# Altium PCB DAC_Sources_REV2.PcbDoc (part 8 of 9) (continued)
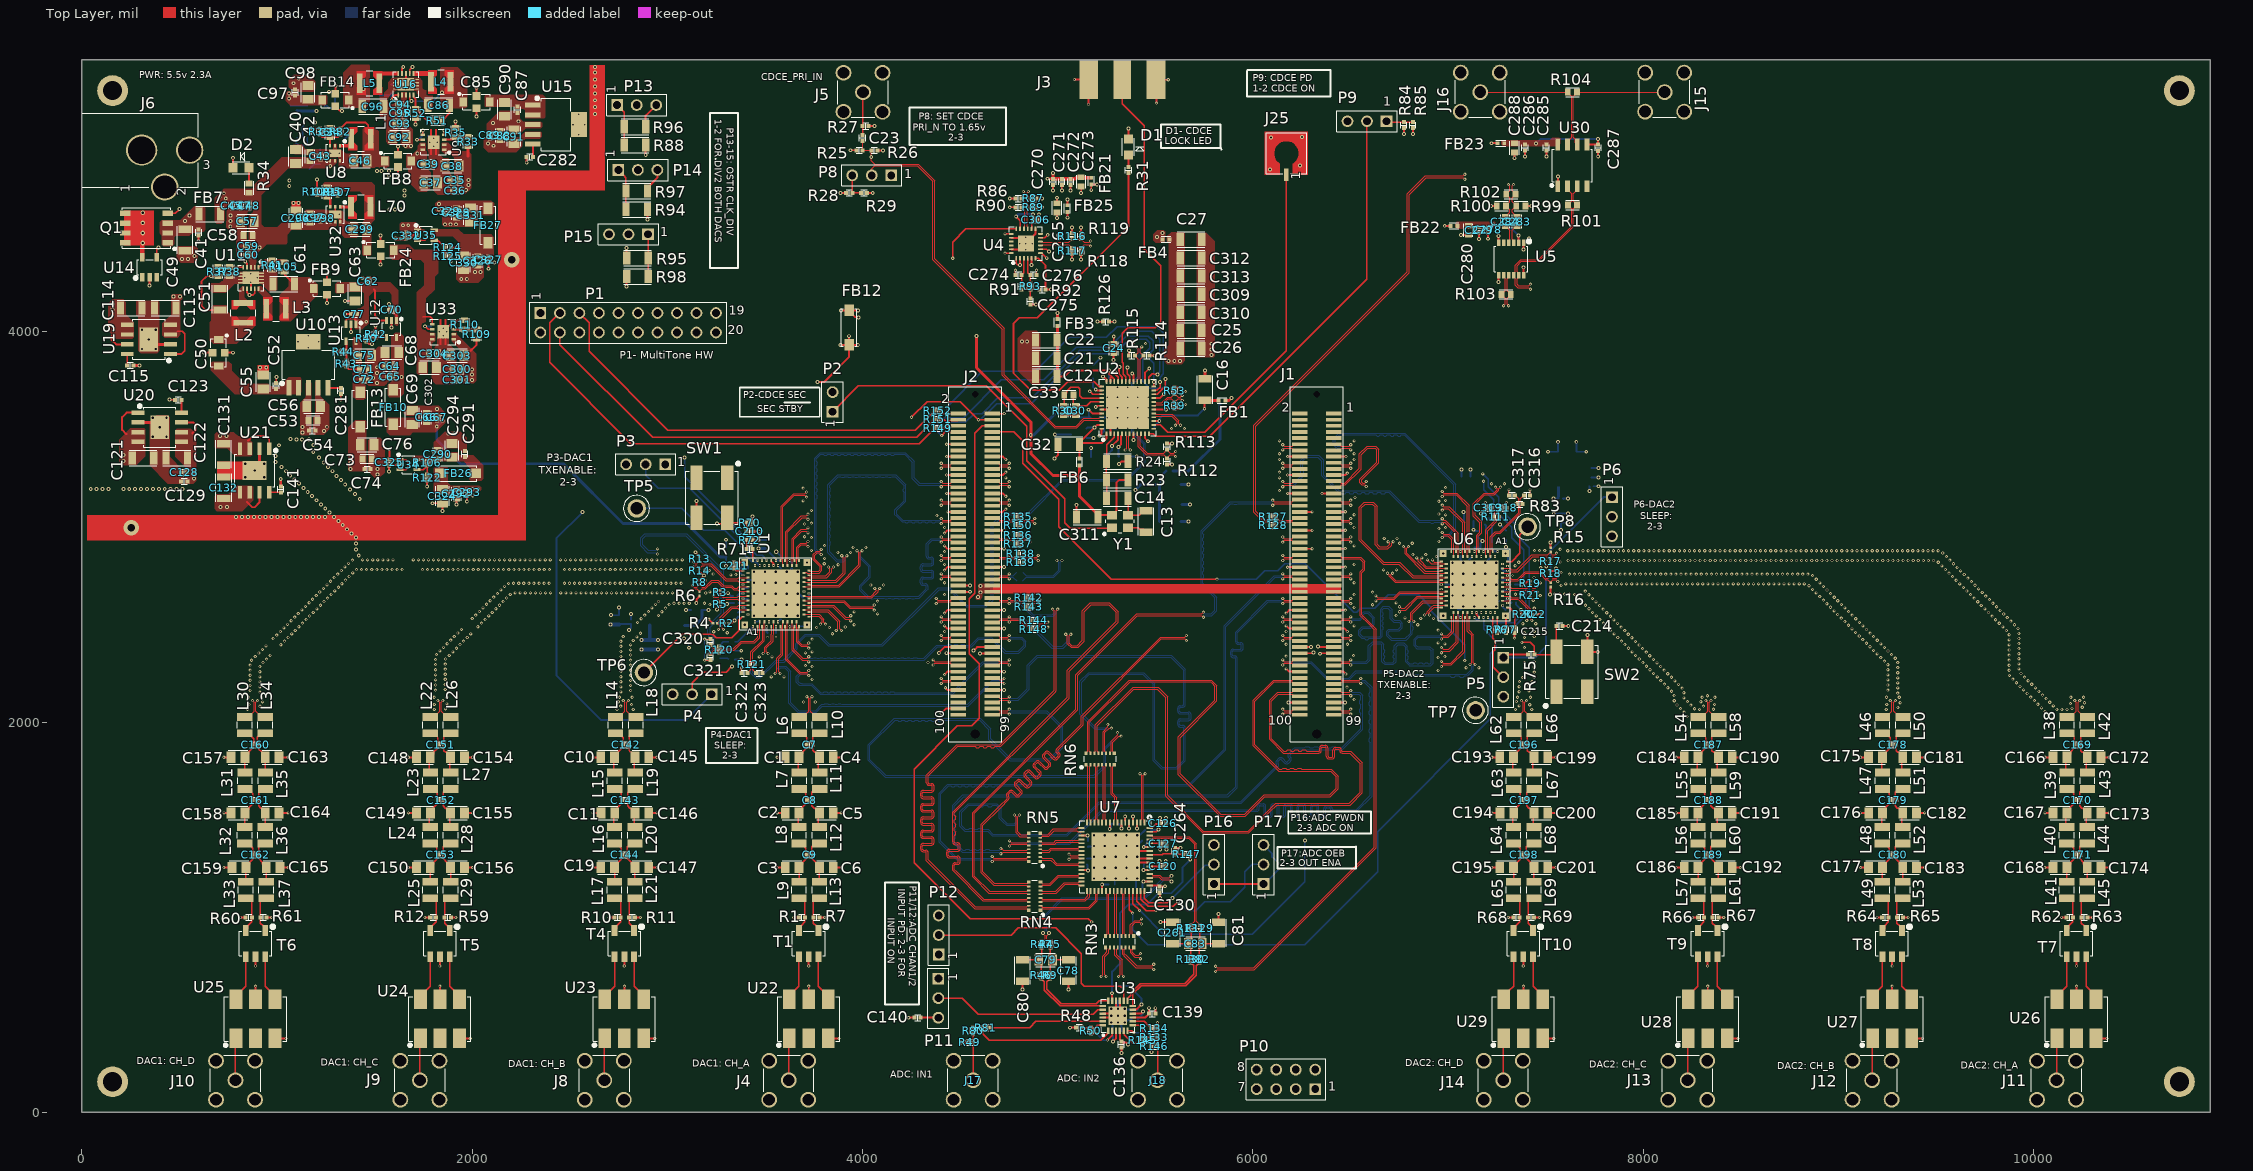
[diagram p0: Top Layer view]
## Nets (pads, with @x,y where several pads share a name; then routed paths per layer and width w, separated by ;. In a path a pad name is that pad's centre, name@x,y a point inside that pad or via, vN(x,y) a via of type N, cw(c..) or ccw(c..) an arc to the next point about the centre after c; other vN are vias at no path point) (continued)
  Bottom Layer w7.5: R132.1@5358.66,418.11 5380.15,418.11 5389.2,409.06 v1(5389.76,409.06) 5461.02,409.06 v1(5511.81,459.84)
NetR133_2: R133.2 R145.1 U3.7 | length 145.5
  Top Layer w7.5: U3.7@5385.83,447.24 5417.32,447.24 5435.83,428.74 R145.1@5435.83,385.43 R133.2@5480.31,385.43
NetR134_2: R134.2 U3.8 | length 109.7
  Top Layer w7.5: U3.8@5385.83,466.93 5443.7,466.93 R134.2@5480.31,430.31
NetR145_2: R145.2 U3.5 | length 135.5
  Top Layer w7.5: U3.5@5338.58,419.69 5340.74,417.53 5340.74,398.63 5385.43,353.94 R145.2@5435.83,353.94
NetT1_3: T1.3 U22.6 | length 238.4
  Top Layer w7.5: U22.6@3624.65,580 3624.65,597.5 3653.4,626.25 3653.81,626.25 3674.65,647.09 T1.3@3674.65,797.48
NetT1_5: T1.5 U22.4 | length 238.7
  Top Layer w7.5: T1.5@3774.65,797.48 3774.65,646.61 3795.01,626.25 3795.9,626.25 3824.65,597.5 U22.4@3824.65,580
NetT4_3: T4.3 U23.6 | length 238.4
  Top Layer w7.5: U23.6@2679.76,580 2679.76,597.5 2708.51,626.25 2708.93,626.25 2729.76,647.09 T4.3@2729.76,797.48
NetT4_5: T4.5 U23.4 | length 238.7
  Top Layer w7.5: T4.5@2829.76,797.48 2829.76,646.61 2850.13,626.25 2851.01,626.25 2879.76,597.5 U23.4@2879.76,580
NetT5_3: T5.3 U24.6 | length 238.4
  Top Layer w7.5: U24.6@1734.88,580 1734.88,597.5 1763.63,626.25 1764.05,626.25 1784.88,647.09 T5.3@1784.88,797.48
NetT5_5: T5.5 U24.4 | length 238.7
  Top Layer w7.5: T5.5@1884.88,797.48 1884.88,646.61 1905.25,626.25 1906.13,626.25 1934.88,597.5 U24.4@1934.88,580
NetT6_3: T6.3 U25.6 | length 238.4
  Top Layer w7.5: U25.6@790,580 790,597.5 818.75,626.25 819.16,626.25 840,647.09 T6.3@840,797.48
NetT6_5: T6.5 U25.4 | length 238.7
  Top Layer w7.5: T6.5@940,797.48 940,646.61 960.36,626.25 961.25,626.25 990,597.5 U25.4@990,580
NetT7_3: T7.3 U26.6 | length 238.4
  Top Layer w7.5: U26.6@10120.71,580 10120.71,597.5 10149.46,626.25 10149.87,626.25 10170.71,647.09 T7.3@10170.71,797.48
NetT7_5: T7.5 U26.4 | length 238.7
  Top Layer w7.5: T7.5@10270.71,797.48 10270.71,646.61 10291.07,626.25 10291.96,626.25 10320.71,597.5 U26.4@10320.71,580
NetT8_3: T8.3 U27.6 | length 238.4
  Top Layer w7.5: U27.6@9175.83,580 9175.83,597.5 9204.58,626.25 9204.99,626.25 9225.83,647.09 T8.3@9225.83,797.48
NetT8_5: T8.5 U27.4 | length 238.7
  Top Layer w7.5: T8.5@9325.83,797.48 9325.83,646.61 9346.19,626.25 9347.08,626.25 9375.83,597.5 U27.4@9375.83,580
NetT9_3: T9.3 U28.6 | length 238.4
  Top Layer w7.5: U28.6@8230.94,580 8230.94,597.5 8259.69,626.25 8260.11,626.25 8280.94,647.09 T9.3@8280.94,797.48
NetT9_5: T9.5 U28.4 | length 221.2
  Top Layer w7.5: T9.5@8380.94,797.48 8380.94,646.61 8401.31,626.25 8402.19,626.25 U28.4@8430.94,597.5
NetT10_3: T10.3 U29.6 | length 238.4
  Top Layer w7.5: U29.6@7286.06,580 7286.06,597.5 7314.81,626.25 7315.23,626.25 7336.06,647.09 T10.3@7336.06,797.48
NetT10_5: T10.5 U29.4 | length 238.7
  Top Layer w7.5: T10.5@7436.06,797.48 7436.06,646.61 7456.43,626.25 7457.31,626.25 7486.06,597.5 U29.4@7486.06,580
NetTP5_1: TP5.1 U1.B29 | length 761.5
  Bottom Layer w7.5: TP5.1@2843.31,3095.28 3074.8,3095.28 3187.4,2982.68 3294.88,2982.68 3399.61,2877.95 3399.61,2856.3 3433.66,2822.24 3449.02,2822.24 3454.63,2816.64 ; 3457.18,2815.56 3470.86,2801.89 v3(3473.62,2801.89)
NetTP6_1: TP6.1 U1.A44 | length 672.5
  Top Layer w7.5: TP6.1@2880.31,2254.33 3077.23,2451.25 3226.25,2451.25 3230.86,2446.64 3235.65,2446.64 3250.04,2432.24 3329.92,2432.24 3366.18,2468.5 3366.18,2522.68 3383.58,2540.08 U1.A44@3387.01,2540.08
NetTP7_1: TP7.1 U6.B29 | length 611.8
  SIG_03 w6: TP7.1@7141.73,2060.63 7053.54,2148.82 7053.54,2323.62 7225.98,2496.06 7225.98,2552.76 v3(7217.72,2561.02)
NetTP8_1: TP8.1 U6.A44 | length 234.1
  Top Layer w7.5: U6.A44@7304.33,2822.83 7325.98,2822.83 7367.32,2864.17 7367.32,2960.24 TP8.1@7408.27,3001.18
OR_OUT_N: RN3.4 U7.42 | length 235.9
  Top Layer w5: U7.42@5326.77,1135.47 5326.77,1124.47 5329.27,1121.97 5329.97,1121.97 5332.9,1119.04 5332.9,1009.38 5332.9,914.99 5327.56,909.65 RN3.4@5327.56,904.72
OR_OUT_P: RN3.3 U7.43 | length 234.8
  Top Layer w5: U7.43@5346.46,1135.47 5346.46,1124.47 5341.9,1119.92 5341.9,1005.65 5341.9,914.99 5347.24,909.65 RN3.3@5347.24,904.72
OSTR_DAC1_BUF_IN_N: C321.1 R120.1 U1.B2 | length 379.6
  Top Layer w5: C321.1@3220.08,2349.21 3238.02,2367.15 3254.11,2367.15 R120.1@3265.35,2355.91 3276.6,2367.15 3342.48,2367.15 3381.34,2406.02 3447.51,2406.02 3473.62,2432.13 U1.B2@3473.62,2514.49
OSTR_DAC1_BUF_IN_P: C320.1 R120.2 U1.A2 | length 340.2
  Top Layer w5: C320.1@3220.08,2394.1 3238.02,2376.15 3254.11,2376.15 R120.2@3265.35,2387.4 3276.6,2376.15 3338.75,2376.15 3377.61,2415.02 3443.78,2415.02 3464.62,2435.86 3464.62,2480.59 3464.23,2480.98 3464.23,2486.48 U1.A2@3461.81,2488.9
OSTR_DAC1_BUF_N: C321.2 R86.1 R90.2 U4.16 | length 6426.9
  Top Layer w5: v1(3192.13,2317.72) C321.2@3220.08,2317.72 ; v1(4824.4,4718.9) 4831.4,4711.9 4831.4,4699.91 R86.1@4814.96,4683.46 4831.4,4667.02 4831.4,4654.63 R90.2@4814.96,4638.19 4831.4,4621.75 4831.4,4538.09 4827.56,4534.25 U4.16@4827.56,4527.17
  SIG_03 w4: v1(2950.39,2861.63) 2941.89,2870.13 2625.41,2870.13 2100.45,3395.09 2100.45,4216.72 2194.75,4311.02 4675.98,4311.02 4777.56,4412.6 4777.56,4529.53 4832.9,4584.87 4832.9,4710.4 v1(4824.4,4718.9)
  Bottom Layer w5: v1(2950.39,2861.63) 2943.39,2868.63 2897.79,2868.63 2862.99,2903.43 2862.99,2945.28 2884.05,2966.33 3098.67,2966.33 3105.7,2959.3 3282.58,2782.42 3289.61,2775.39 3289.61,2612.39 3289.19,2611.97 3289.19,2597.48 3289.61,2597.05 3289.61,2556.5 3219.51,2486.4 3219.51,2452.19 3236.78,2434.91 3240.3,2431.4 3240.3,2380.9 3236.78,2377.39 3225.05,2365.65 3198.86,2365.65 3192.13,2358.92 v1(3192.13,2317.72)
OSTR_DAC1_BUF_P: C320.2 R87.1 R89.2 U4.15 | length 6332.5
  Top Layer w5: v1(3192.13,2425.59) C320.2@3220.08,2425.59 ; U4.15@4847.24,4527.17 4847.24,4534.25 4843.4,4538.09 4843.4,4621.75 R89.2@4859.84,4638.19 4843.4,4654.63 4843.4,4667.02 R87.1@4859.84,4683.46 4843.4,4699.91 4843.4,4711.9 v1(4850.4,4718.9)
  SIG_03 w4: v1(2950.39,2887.63) 2941.89,2879.13 2629.13,2879.13 2109.45,3398.82 2109.45,4212.99 2198.48,4302.02 4679.71,4302.02 4786.56,4408.87 4786.56,4525.8 4841.9,4581.14 4841.9,4710.4 v1(4850.4,4718.9)
  Bottom Layer w5: v1(2950.39,2887.63) 2943.39,2880.63 2902.76,2880.63 2874.99,2908.4 2874.99,2940.31 2889.02,2954.33 3093.7,2954.33 3277.61,2770.42 3277.61,2617.36 3277.19,2616.94 3277.19,2592.51 3277.61,2592.08 3277.61,2561.47 3207.51,2491.37 3207.51,2447.22 3211.02,2443.7 3228.3,2426.42 3228.3,2385.87 3220.08,2377.65 3198.86,2377.65 3192.13,2384.39 v1(3192.13,2425.59)
OSTR_DAC2_BUF_IN_N: C317.1 R83.1 U6.B2 | length 403.2
  Top Layer w5: U6.B2@7217.72,2848.43 7217.72,2950.96 7243.08,2976.32 7264.78,2976.32 7362.04,3073.58 7362.04,3106.07 R83.1@7350.79,3117.32 7362.04,3128.57 7362.04,3144.6 7346.93,3159.7 7346.59,3159.7 C317.1@7344.09,3162.2
OSTR_DAC2_BUF_IN_P: C316.1 R83.2 U6.A2 | length 378.8
  Top Layer w5: U6.A2@7229.53,2874.02 7227.11,2876.44 7227.11,2881.93 7226.72,2882.32 7226.72,2947.23 7246.81,2967.32 7268.5,2967.32 7371.04,3069.85 7371.04,3106.07 R83.2@7382.28,3117.32 7371.04,3128.57 7371.04,3144.6 7386.14,3159.7 7386.48,3159.7 C316.1@7388.98,3162.2
OSTR_DAC2_BUF_N: C317.2 R116.1 R119.2 U4.10 | length 4079.4
  Top Layer w5: U4.10@4912.2,4462.2 4919.29,4462.2 4923.13,4458.36 5057.77,4458.36 R116.1@5074.02,4474.61 R119.2@5119.69,4474.61 5135.93,4458.36 5162.29,4458.36 v1(5169.29,4465.36) ; C317.2@7312.6,3162.2 v1(7312.6,3190.16)
  SIG_03 w4: v1(5169.29,4465.36) 5177.79,4456.86 7169.65,4456.86 7333.2,4293.31 7455.3,4293.31 7532.23,4216.38 7532.23,3893.25 7480.65,3841.68 7480.65,3151.39 7458.06,3128.8 7380.92,3128.8 7362.04,3147.68 7362.04,3183.86 7355.74,3190.16 v1(7312.6,3190.16)
OSTR_DAC2_BUF_P: C316.2 R117.1 R118.2 U4.9 | length 4034.7
  Top Layer w5: U4.9@4912.2,4442.52 4919.29,4442.52 4923.13,4446.36 5057.77,4446.36 R117.1@5074.02,4430.12 R118.2@5119.69,4430.12 5135.93,4446.36 5162.29,4446.36 v1(5169.29,4439.36) ; C316.2@7420.47,3162.2 v1(7420.47,3190.16)
  SIG_03 w4: v1(5169.29,4439.36) 5177.79,4447.86 7165.92,4447.86 7329.47,4284.31 7451.57,4284.31 7523.23,4212.65 7523.23,3896.98 7471.65,3845.41 7471.65,3155.12 7454.33,3137.8 7384.65,3137.8 7371.04,3151.41 7371.04,3183.86 7377.34,3190.16 v1(7420.47,3190.16)
OSTR_DAC_N: C276.1 R113.2 U2.10 | length 1794.9
  Top Layer w5: C276.1@4891.34,4291.34 4891.73,4291.73 v1(4891.73,4315.75) ; U2.10@5427.95,3477.56 5427.95,3470.47 5425.73,3468.25 5425.54,3468.25 5422.61,3465.32 5422.61,3414.4 5458.69,3378.32 5542.49,3378.32 R113.2@5560.24,3396.06 5562.74,3393.56 5562.74,3391.96 5576.38,3378.32 5595.83,3378.32 v1(5604.33,3386.82)
  SIG_03 w4: v1(4891.73,4315.75) 4851.35,4315.75 4842.3,4306.69 4842.3,4277.12 4857.66,4261.76 4986.01,4261.76 5044.43,4203.33 5044.43,4074.02 5201.85,3916.6 5201.85,3855.37 5213.43,3843.78 5216.07,3841.15 5216.07,3757.68 5284.98,3688.77 5284.98,3504.58 5368.7,3420.87 5442.13,3420.87 5444.76,3418.23 5484.67,3378.32 5595.83,3378.32 v1(5604.33,3386.82)
OSTR_DAC_P: C274.1 R112.2 U2.9 | length 1824.2
  Top Layer w5: C274.1@4783.86,4291.73 v1(4783.86,4315.75) ; U2.9@5408.27,3477.56 5408.27,3470.47 5410.49,3468.25 5410.68,3468.25 5413.61,3465.32 5413.61,3410.67 5454.96,3369.32 5542.49,3369.32 R112.2@5560.24,3351.57 5562.74,3354.07 5562.74,3355.68 5576.38,3369.32 5595.83,3369.32 v1(5604.33,3360.82)
  SIG_03 w4: v1(4783.86,4315.75) 4824.24,4315.75 4833.3,4306.69 4833.3,4273.4 4853.94,4252.76 4982.28,4252.76 5035.43,4199.61 5035.43,4070.29 5192.85,3912.87 5192.85,3851.64 5207.07,3837.42 5207.07,3753.95 5209.71,3751.32 5275.98,3685.04 5275.98,3500.85 5364.97,3411.87 5438.4,3411.87 5480.95,3369.32 5577.73,3369.32 5595.83,3369.32 v1(5604.33,3360.82)
OUT_SYNC_N: J16.1 R104.1 U30.7 | length 736.3
  Top Layer w5: J16.1@7165.35,5228.22 R104.1@7614.17,5228.22 7614.17,5225.27 7626.44,5213 7629.39,5213 7633.3,5209.1 7633.3,4997.86 7612.8,4977.36 U30.7@7612.8,4958.86
OUT_SYNC_P: J15.1 R104.2 U30.6 | length 737.2
  Top Layer w5: U30.6@7662.8,4958.86 7653.3,4968.36 7653.3,4986.86 7651.72,4986.86 7642.3,4996.29 7642.3,5209.1 7646.2,5213 7649.15,5213 7661.42,5225.27 R104.2@7661.42,5228.22 J15.1@8110.24,5228.22
PLL_AVDD_DAC1: C218.1 C219.1 FB11.2 U1.B1 | length 535.1
  SIG_06 w10: v2(3084.65,2428.74) 3084.65,2472.83 3111.7,2499.89 3367.15,2499.89 3387.82,2520.55 3443.94,2520.55 v3(3450,2514.49)
  Bottom Layer w7.5: v2(3084.65,2428.74) C219.1@3110.24,2428.74 3128.94,2447.44 FB11.2@3158.66,2447.44
  Bottom Layer w10: v3(3450,2514.49) 3463.7,2514.49 C218.1@3469.29,2520.08
PLL_AVDD_DAC2: C239.1 C240.1 FB18.2 U6.B1 | length 568
  SIG_03 w10: v3(7241.34,2848.43) 7219.68,2870.08 7219.68,2894.47 7268.54,2943.33 7445.29,2943.33 7485.83,2983.86 7485.83,3035.43 7486.22,3035.83 7486.22,3089.76 v2(7541.73,3145.28)
  Bottom Layer w10: v2(7541.73,3145.28) C240.1@7566.93,3145.28
Power_Down: P9.2 U2.12 | length 2267.4
  Top Layer w7.5: U2.12@5467.32,3477.56 5488.98,3477.56 5502.76,3463.78 5780.31,3463.78 6585.04,4268.5 P9.2@6585.04,5079.13
PRI_N: P8.2 U2.46 | length 2166.3
  Top Layer w5: P8.2@4047.64,4801.57 4047.64,4835.34 4062.72,4850.42 4281.86,4850.42 4361.08,4771.2 4361.08,4575.05 4361.08,4369.89 4716.59,4014.38 4716.59,3776.98 4985.25,3508.32 5097.93,3508.32 5137.47,3547.86 5212.96,3547.86 5215.89,3544.93 5215.89,3544.74 5218.11,3542.52 U2.46@5225.2,3542.52
PRI_P: C23.1 R25.1 R26.2 U2.45 | length 2281.6
  Top Layer w5: C23.1@4000.39,4977.56 4000.39,4929.92 4000.79,4929.53 R26.2@4045.28,4929.53 4044.88,4929.13 v2(4044.88,4895.28) 4044.88,4877.26 4062.72,4859.42 4285.59,4859.42 4370.08,4774.93 4370.08,4571.32 4370.08,4373.62 4725.59,4018.11 4725.59,3780.71 4988.98,3517.32 5094.2,3517.32 5133.74,3556.86 5212.96,3556.86 5215.89,3559.79 5215.89,3559.98 5218.11,3562.2 U2.45@5225.2,3562.2
S0_1: P15.2 U4.18 | length 2148.8
  Top Layer w7.5: v1(4462.6,4376.77) 4462.6,4459.84 4529.92,4527.17 U4.18@4788.19,4527.17
  SIG_03 w6: P15.2@2801.18,4499.61 2924.02,4376.77 v1(4462.6,4376.77)
S1_1: P14.2 U4.19 | length 2049.2
  Top Layer w7.5: v1(4730.31,4501.57) U4.19@4762.6,4501.57
  SIG_03 w6: P14.2@2849.21,4829.53 3177.17,4501.57 v1(4730.31,4501.57)
S2_1: P13.2 U4.24 | length 2506.4
  Top Layer w7.5: v1(4730.31,4403.15) U4.24@4762.6,4403.15
  SIG_03 w6: P13.2@2842.91,5161.81 2842.91,4899.23 2798.82,4855.13 2798.82,4803.15 3198.82,4403.15 v1(4730.31,4403.15)
SDO: J2.2 R152.1 U1.B27 U2.23 U6.B27 | length 6266.5
  Top Layer w7.5: R152.1@4400.79,3595.67 4415.35,3581.1 4431.1,3581.1 v1(4431.24,3581.24) 4491,3581.24 J2.2@4491.14,3581.38 ; U2.23@5492.91,3700 5507.87,3700 5524.8,3716.93 v2(5524.8,3742.13)
  SIG_03 w6: v3(3520.87,2801.89) 3532.68,2813.7 3532.68,2844.88 3509.45,2868.11 3456.69,2868.11 3368.72,2956.09 3368.72,3217.54 3487.4,3336.22 3994.88,3336.22 4178.74,3520.08 4443.7,3520.08 4455.12,3531.5 4455.12,3570.08 4445.87,3579.33 4433.15,3579.33 v1(4431.24,3581.24) ; v2(5524.8,3742.13) 5524.8,3671.38 5514.06,3660.63 5514.06,3641.66 5530.61,3625.1 5560.72,3625.1 5604.33,3581.5 5776.77,3581.5 5785.83,3572.44 6772.44,3572.44 7030.71,3314.17 7030.71,2862.2 7046.06,2846.85 7046.06,2525.59 7066.54,2505.12 7129.14,2505.12 7170.47,2546.45 v3(7170.47,2561.02)
  Bottom Layer w7.5: v1(4431.24,3581.24) 4431.24,3614.31 4614.17,3797.24 4886.22,3797.24 5060.24,3971.26 5248.82,3971.26 5304.33,4026.77 5509.06,4026.77 5540.94,3994.88 5540.94,3784.11 5524.8,3767.97 v2(5524.8,3742.13)
SPI_CLK: J2.4 R151.2 U1.A31 U2.24 U6.A31 U7.45 | length 9652.5
  Top Layer w7.5: R151.2@4400.39,3551.18 4401.04,3550.53 4419.55,3550.53 v1(4433.86,3536.22) 4436.16,3536.22 4443.73,3543.79 4485.05,3543.79 J2.4@4491.14,3549.88 ; U7.45@5385.83,1135.47 5385.83,1069.69 v1(5420.08,1035.43) ; U2.24@5492.91,3719.68 v2(5492.91,3742.52)
  SIG_03 w6: v3(3485.43,2830.31) 3470.86,2844.89 3440.15,2844.89 3343.7,2941.34 3343.7,3252.76 3462.99,3372.05 3975.2,3372.05 4184.53,3581.38 4331.61,3581.38 4376.77,3536.22 v1(4433.86,3536.22) ; v2(5492.91,3742.52) 5513.1,3762.71 5518.48,3762.71 5555.77,3800 5693.11,3800 5723.98,3830.87 5777.87,3830.87 5808.74,3800 7010.63,3800 7203.15,3607.48 7203.15,3254.72 v1(7182.68,3234.25) ; v2(6266.93,1393.31) 6682.28,1393.31 7030.71,1741.73 7030.71,2327.56 7205.91,2502.76 v3(7205.91,2535.43)
  Bottom Layer w7.5: v1(4433.86,3536.22) 4526.38,3536.22 4571.53,3581.38 4613.27,3581.38 4692.91,3661.02 4869.69,3661.02 5112.99,3904.33 5276.77,3904.33 5350.39,3977.95 5465.35,3977.95 5489.37,3953.94 5489.37,3907.48 5475,3893.11 5475,3855.71 5492.27,3838.44 5492.27,3743.16 v2(5492.91,3742.52) ; v1(5420.08,1035.43) 5542.13,913.39 5998.03,913.39 6266.93,1182.28 v2(6266.93,1393.31) ; v1(7182.68,3234.25) 7182.68,3190.94 7235.07,3138.56 7235.07,3090.52 7327.56,2998.03 7327.56,2944.09 7388.19,2883.46 7388.19,2722.58 7397.88,2712.88 7397.88,2571.37 7388.19,2561.67 7388.19,2561.42 7336.57,2509.8 7231.54,2509.8 v3(7205.91,2535.43)
SPI_LE: J2.8 U2.25 | length 1780.7
  Top Layer w7.5: v1(4405.91,3468.11) 4424.68,3486.89 J2.8@4491.14,3486.89 ; U2.25@5467.32,3745.28 5467.32,3768.11 5484.22,3785.01 5491.72,3785.01 5493.63,3783.1 5508.63,3783.1 v2(5511.02,3780.71)
  Bottom Layer w7.5: v1(4405.91,3468.11) 4377.17,3496.85 4377.17,3518.9 4418.9,3560.63 4518.9,3560.63 4711.81,3753.54 4927.95,3753.54 5094.49,3920.08 5263.78,3920.08 5346.46,4002.76 5481.89,4002.76 5523.62,3961.02 5523.62,3796.69 5511.02,3784.09 v2(5511.02,3780.71)
SYNC: J25.1 U2.14 | length 1770.5
  Top Layer w7.5: U2.14@5492.91,3522.83 5526.38,3522.83 5564.57,3484.65 5753.54,3484.65 6172.05,3903.15 J25.1@6172.05,4805.31
SYNC_DAC1_BUF_N: R101.1 U1.B5 U5.10 U30.2 | length 8986.9
  Top Layer w5: v1(3516.63,2351.79) 3508.13,2360.29 3508.13,2380.67 3541.73,2414.27 3541.73,2446.49 3544.49,2449.25 U1.B5@3544.49,2514.49 ; v1(7422.05,4218.4) 7413.55,4226.9 7356.83,4226.9 7344.91,4238.82 7344.91,4272.61 7336.61,4280.91 7336.61,4299.41 7344.91,4307.7 7344.91,4342.28 7372.26,4369.63 7461.36,4369.63 7530.64,4438.91 7633.69,4541.96 7633.69,4630.88 R101.1@7614.57,4650 7614.57,4652.95 7626.83,4665.22 7629.78,4665.22 7633.3,4668.73 7633.3,4706.86 7612.8,4727.36 U30.2@7612.8,4745.86
  SIG_03 w4: v1(3516.63,2351.79) 3508.13,2360.29 3508.13,2401.05 3485.17,2424.02 3440.05,2424.02 3385.04,2424.02 3286.61,2522.44 3286.61,2781.5 3281.34,2786.77 3116.59,2951.52 2778.53,2951.52 2174.8,3555.25 2174.8,4124.02 2311.04,4260.25 4679.67,4260.25 4803.67,4384.25 4866.14,4384.25 4927.95,4322.44 5722.71,4322.44 5818.24,4226.9 7413.55,4226.9 v1(7422.05,4218.4)
SYNC_DAC1_BUF_P: R101.2 U1.A5 U5.11 U30.3 | length 8963.8
  Top Layer w5: v1(3490.63,2351.79) 3499.13,2360.29 3499.13,2384.4 3532.73,2418 3532.73,2450.22 3535.49,2452.98 3535.49,2480.59 3535.1,2480.98 3535.1,2486.48 U1.A5@3532.68,2488.9 ; v1(7422.05,4244.4) 7413.55,4235.9 7360.56,4235.9 7353.91,4242.55 7353.91,4272.61 7362.2,4280.91 7362.2,4299.41 7353.91,4307.7 7353.91,4338.56 7375.98,4360.63 7465.09,4360.63 7642.69,4538.23 7642.69,4630.88 R101.2@7661.81,4650 7661.81,4652.95 7649.55,4665.22 7646.59,4665.22 7642.3,4669.52 7642.3,4708.44 7651.72,4717.86 7653.3,4717.86 7662.8,4727.36 U30.3@7662.8,4745.86
  SIG_03 w4: v1(3490.63,2351.79) 3499.13,2360.29 3499.13,2397.33 3481.44,2415.02 3443.78,2415.02 3385.04,2415.02 3381.31,2415.02 3277.61,2518.71 3277.61,2777.77 3112.86,2942.52 2774.8,2942.52 2165.8,3551.52 2165.8,4127.74 2307.31,4269.25 4675.94,4269.25 4799.94,4393.25 4869.87,4393.25 4931.68,4331.44 5726.43,4331.44 5732.73,4325.14 5821.97,4235.9 7413.55,4235.9 v1(7422.05,4244.4)
SYNC_DAC2_BUF_N: R103.1 U5.9 U6.B5 | length 1703.7
  Top Layer w5: U6.B5@7146.85,2848.43 7146.85,2956.86 7164.07,2974.08 7164.07,3021.92 7130.37,3055.61 7130.37,3119.08 7184.85,3173.57 7234.35,3173.57 7251.8,3191.02 7251.8,3195.52 v1(7243.3,3204.02) ; U5.9@7311.02,4290.16 7311.02,4280.91 7302.53,4272.41 7302.53,4211.25 R103.1@7321.65,4192.13 7302.53,4173 7302.53,4141.96 v1(7311.03,4133.46)
  SIG_03 w4: v1(7243.3,3204.02) 7251.8,3212.52 7251.8,4159.41 7259.5,4167.11 7274.62,4182.23 7291.03,4182.23 7302.53,4170.73 7302.53,4141.96 v1(7311.03,4133.46)
SYNC_DAC2_BUF_P: R103.2 U5.8 U6.A5 | length 1649.3
  Top Layer w5: U6.A5@7158.66,2874.02 7156.24,2876.44 7156.24,2881.93 7155.85,2882.32 7155.85,2953.13 7173.07,2970.35 7173.07,3025.64 7139.37,3059.34 7139.37,3115.35 7188.58,3164.57 7238.08,3164.57 7260.8,3187.29 7260.8,3195.52 v1(7269.3,3204.02) ; v1(7285.03,4133.46) 7293.53,4141.96 7293.53,4173 R103.2@7274.41,4192.13 7293.53,4211.25 7293.53,4272.81 7285.43,4280.91 U5.8@7285.43,4290.16
  SIG_03 w4: v1(7269.3,3204.02) 7260.8,3212.52 7260.8,4155.68 7268.5,4163.39 7278.35,4173.23 7287.31,4173.23 7293.53,4167 7293.53,4141.96 v1(7285.03,4133.46)
SYNC_DAC_C_N: C284.2 U5.4 | length 100.2
  Top Layer w5: C284.2@7293.7,4540.94 7296.2,4538.44 7300.63,4538.44 7317.82,4521.26 7317.82,4474.09 7316.77,4473.04 7316.77,4461.91 U5.4@7311.02,4456.16
SYNC_DAC_C_P: C283.2 U5.3 | length 99.8
  Top Layer w5: U5.3@7336.61,4456.16 7330.86,4461.91 7330.86,4473.04 7329.82,4474.09 7329.82,4521.26 7347,4538.44 7351.04,4538.44 C283.2@7353.54,4540.94
SYNC_DAC_N: C284.1 R100.2 R102.1 R128.2 | length 2953.4
  Top Layer w5: R128.2@6088.11,3007.76 6085.61,3010.26 6085.61,3011.74 6071.65,3025.7 6056.06,3025.7 6005.57,3076.19 6005.57,3520.66 6792.52,4307.61 6792.52,4707.22 6884.3,4799 7078.11,4799 v1(7086.61,4807.5) ; C284.1@7293.7,4588.19 7317.62,4612.11 7317.62,4624.5 R100.2@7296.85,4645.28 7317.62,4666.05 7317.62,4686.31 R102.1@7299.21,4704.72 7316.83,4722.35 7316.83,4747.72 v1(7309.83,4754.72)
  SIG_03 w4: v1(7086.61,4807.5) 7095.11,4799 7133.65,4799 7240.18,4692.46 7305.36,4692.46 7318.33,4705.44 7318.33,4746.22 v1(7309.83,4754.72)
SYNC_DAC_P: C283.1 R99.2 R102.2 R127.2 | length 2937.8
  Top Layer w5: R127.2@6088.11,3052.64 6085.61,3050.14 6085.61,3048.65 6071.65,3034.7 6059.79,3034.7 6014.57,3079.92 6014.57,3516.93 6801.52,4303.88 6801.52,4703.49 6888.03,4790 7078.11,4790 v1(7086.61,4781.5) ; v1(7335.83,4754.72) 7328.83,4747.72 7328.83,4722.35 R102.2@7346.46,4704.72 7329.62,4687.89 7329.62,4666.05 R99.2@7350.39,4645.28 7329.62,4624.5 7329.62,4612.11 C283.1@7353.54,4588.19
  SIG_03 w4: v1(7086.61,4781.5) 7095.11,4790 7129.92,4790 7236.45,4683.46 7309.09,4683.46 7311.73,4686.1 7327.33,4701.71 7327.33,4746.22 v1(7335.83,4754.72)
TEST_MODE: U2.33 | length 56.5
  Top Layer w7.5: v2(5293.31,3794.88) 5295.03,3793.16 5295.03,3781.74 5309.84,3766.93 U2.33@5309.84,3745.28
TEST_OUTA: R126.1 U2.30 | length 366.9
  Top Layer w7.5: R126.1@5262.99,4052.36 5263.19,4052.17 5290.35,4052.17 v2(5290.55,4051.97) ; v2(5357.48,3818.11) 5357.48,3784.65 5368.9,3773.23 U2.30@5368.9,3745.28
  SIG_03 w7.5: v2(5290.55,4051.97) 5325.59,4016.93 5325.59,3874.8 5357.48,3842.91 v2(5357.48,3818.11)
V+U5: C277.1 C278.1 C279.1 C280.1 FB22.2 U5.2 | length 228.8
  Top Layer w10: v2(7361.81,4493.31) 7362.01,4493.11 7362.01,4456.35 U5.2@7362.2,4456.16
  Bottom Layer w10: v2(7231.5,4549.61) 7305.51,4549.61 v2(7361.81,4493.31) 7361.81,4457.09 C277.1@7360.63,4455.91
VBB: C269.1 R92.2 U2.48 U4.6 | length 1166
  Top Layer w9.06: U4.6@4886.61,4377.56 4901.57,4377.56 4937.8,4341.34 R92.2@4937.8,4216.93
  Top Layer w9.45: v2(5215.35,3467.32) 5225.2,3477.17 U2.48@5225.2,3503.15
  Top Layer w10: R92.2@4937.8,4216.93 v2(4966.93,4216.93)
  SIG_03 w10: v2(4966.93,4216.93) 4966.93,4027.56 5159.45,3835.04 5159.45,3773.19 5225.59,3707.05 5225.59,3477.56 v2(5215.35,3467.32)
  Bottom Layer w10: v2(5215.35,3467.32) 5236.61,3488.58 C269.1@5236.61,3503.94
VCC1_PLL: C28.1 C29.1 C314.1 C315.1 FB5.2 U2.5 U2.39 U2.42 | length 1435.5
  Top Layer w9.45: v2(5164.42,3695.28) 5165.85,3695.28 5180.81,3680.31 U2.39@5225.2,3680.31 ; v2(5195.28,3614.17) 5198.13,3614.17 5205.22,3621.26 U2.42@5225.2,3621.26 ; 5325.59,3465.15 5329.53,3469.09 U2.5@5329.53,3477.56
  Top Layer w10: v2(5311.02,3410.24) 5325.59,3424.8 5325.59,3465.15
  SIG_03 w15: v2(5164.42,3695.28) 5195.28,3664.42 v2(5195.28,3614.17) 5181.56,3600.45 5181.56,3572.44 5149.55,3540.43 5149.55,3380.77 5175.2,3355.12 5234.65,3355.12 ; v2(5311.02,3410.24) 5255.91,3355.12 5234.65,3355.12 ; v2(5398.43,3190.55) 5347.05,3190.55 5234.65,3302.95 5234.65,3355.12
  Bottom Layer w10: v2(5311.02,3410.24) 5311.02,3362.99 C28.1@5313.78,3360.24
  Bottom Layer w15: v2(5398.43,3190.55) 5425.98,3218.11 C315.1@5520.87,3218.11 ; C314.1@5520.87,3029.13 C29.1@5520.87,3123.62 C315.1@5520.87,3218.11 ; FB5.2@5555.91,3286.61 5531.89,3262.6 5531.89,3229.13 C315.1@5520.87,3218.11
VCC_AUX_IN: C17.1 C18.1 FB2.2 U2.44 | length 324.5
  Top Layer w9.45: v2(5159.06,3600.79) 5177.95,3581.89 U2.44@5225.2,3581.89
  Bottom Layer w9.45: C18.1@5067.32,3584.25 5081.3,3570.28 5099.8,3570.28 5109.84,3560.24 C17.1@5168.11,3560.24 5159.06,3569.29 v2(5159.06,3600.79)
  Bottom Layer w15: FB2.2@4984.25,3614.17 5013.78,3614.17 5032.5,3595.45 5056.12,3595.45 C18.1@5067.32,3584.25
VCC_AUX_OUT: C15.1 C16.1 FB1.2 U2.15 | length 447.3
  Top Layer w10: U2.15@5492.91,3542.52 v2(5520.87,3542.52) ; v1(5752.36,3605.91) 5752.36,3646.46 C16.1@5754.72,3648.82
  Top Layer w15: C16.1@5755.12,3648.43 FB1.2@5824.41,3648.43
  Bottom Layer w10: C15.1@5495.67,3509.84 5495.67,3517.32 v2(5520.87,3542.52) 5520.87,3553.54 5539.37,3572.05 5718.5,3572.05 v1@5751.55,3605.09
VCC_DS: C285.1 C286.1 C287.1 C288.1 FB23.2 U30.5 U30.8 | length 413.8
  Top Layer w10: U30.5@7712.8,4958.86 7712.99,4959.06 C287.1@7769.68,4959.06 v2@7769.68,4988.58
  Bottom Layer w10: v2(7451.77,4965.55) 7475,4988.78 v2(7769.49,4988.78)
VCC_IN_PRI: C31.1 C32.1 FB6.2 U2.1 U2.47 | length 453.5
  Top Layer w9.45: FB6.2@5111.81,3350.39 C32.1@5111.81,3422.05 ; U2.47@5225.2,3522.83 5202.36,3522.83 v2(5189.76,3510.24) 5111.81,3432.28 C32.1@5111.81,3422.05 ; U2.1@5250.79,3477.56 5250.79,3454.33 5226.38,3429.92 5119.69,3429.92 C32.1@5111.81,3422.05
  Bottom Layer w9.45: C31.1@5147.24,3503.94 5153.54,3510.24 v2(5189.76,3510.24)
VCC_OUT: C24.1 C25.1 C26.1 C27.1 C309.1 C310.1 C312.1 C313.1 FB4.2 U2.8 U2.11 U2.18 U2.21 U2.26 U2.29 U2.32 | length 437.5
  Top Layer w9.45: v2(5316.54,3820.08) 5314.96,3818.5 5314.96,3783.86 5329.53,3769.29 U2.32@5329.53,3745.28 ; v2(5382.28,3787.4) 5388.58,3781.1 U2.29@5388.58,3745.28 ; v2(5388.58,3446.06) U2.8@5388.58,3477.56 ; U2.11@5447.64,3477.56 5447.64,3455.51 v2(5463.78,3439.37) ; U2.26@5447.64,3745.28 5447.64,3791.34 5468.11,3811.81 v2(5469.29,3811.81) ; U2.18@5492.91,3601.57 5554.72,3601.57 v2(5555.91,3602.76) ; U2.21@5492.91,3660.63 5523.62,3660.63 v2(5544.09,3681.1)
  Top Layer w10: v2(5287.01,3855.51) 5287.01,3890.55 C24.1@5287.4,3890.94
  other v2: 5568.9,3850 5597.64,3850 5626.38,3850
VCC_VCO: C12.1 C20.1 C21.1 C22.1 FB3.2 U2.34 U2.35 | length 679.8
  Top Layer w10: C12.1@4998.82,3773.62 C12.1@4996.46,3771.26 5036.22,3771.26 5066.93,3801.97 v2(5262.6,3801.97) 5262.6,3784.25 5276.38,3770.47 ; U2.35@5270.47,3745.28 5270.47,3764.57 5276.38,3770.47 ; U2.34@5290.16,3745.28 5290.16,3756.69 5276.38,3770.47
  Top Layer w15: C12.1@4998.82,3773.62 4998.82,3864.57 4998.82,3957.48 FB3.2@4998.82,4030.71
  Bottom Layer w10: v2(5262.6,3801.97) 5262.6,3764.96 C20.1@5268.11,3759.45
VCCO_13: C300.2 C301.1 C303.2 J2.98 R109.2 U33.1 U33.2 | length 182.9
  Top Layer w10: 1983.07,3894.09 2023.23,3934.25 R109.2@2023.23,3964.17 ; v2(4404.33,2046.85) 4427.05,2069.57 J2.98@4491.14,2069.57
  other v2: 1969.68,3753.94 1998.82,3753.94 1998.82,3781.5 1998.82,3807.09
VCCO_34: J1.78 J1.79 J1.80 J2.78 J2.79 J2.80 | length 436.6
  Top Layer w10: v2(4390.94,2353.54) 4390.94,2355.51 4419.96,2384.53 J2.78@4491.14,2384.53 ; v2@4430.98,2353.03 J2.80@4491.14,2353.03 ; v2(4602.36,2351.97) 4602.89,2352.5 4663.84,2352.5 J2.79@4664.37,2353.03 ; J1.80@6241.14,2353.03 6307.76,2353.03 v2(6311.02,2356.3) ; J1.78@6241.14,2384.53 v2(6297.91,2384.53) ; v2(6343.7,2350.39) 6346.34,2353.03 J1.79@6414.37,2353.03
  other v2: 4430.85,2353.17
VDD: C265.1 C306.1 FB25.2 U4.8 U4.11 U4.14 U4.17 | length 387.3
  Top Layer w9.06: v2(4787.8,4590.16) 4807.87,4570.08 U4.17@4807.87,4527.17 ; U4.14@4866.93,4527.17 4866.93,4567.72 C306.1@4872.83,4573.62 v2(4872.83,4602.36) ; U4.8@4912.2,4422.83 4942.91,4422.83 v2(4954.72,4411.02) ; U4.11@4912.2,4481.89 4933.86,4481.89 v2(4949.21,4497.24) ; v2(4996.46,4582.28) C265.1@4996.46,4611.02 ; v2(5050,4584.65) FB25.2@5050,4613.39
  Bottom Layer w15: v2(4787.8,4590.16) 4800,4602.36 v2(4872.83,4602.36)

## Text inside footprints (layer, text, board x,y; h text height)
P16: Top Assembly top/Assembly Bot "1" at 5824.8,1157.87 h78.74 r90; Top Overlay "1" at 5828.35,1087.8 h78.74 r90
P17: Top Assembly top/Assembly Bot "1" at 6079.13,1157.87 h78.74 r90; Top Overlay "1" at 6082.68,1087.8 h78.74 r90
U1: Top Assembly top/Assembly Bot "A1" at 3464.17,2477.95 h78.74 r90; Top Overlay "A1" at 3407.87,2431.5 h59.06
U6: Top Assembly top/Assembly Bot "A1" at 7217.72,2833.46 h78.74; Top Overlay "A1" at 7245.04,2899.72 h59.06